# Altium PCB GameBoard_V1I1_Phase1.PcbDoc (part 9 of 18) (continued)
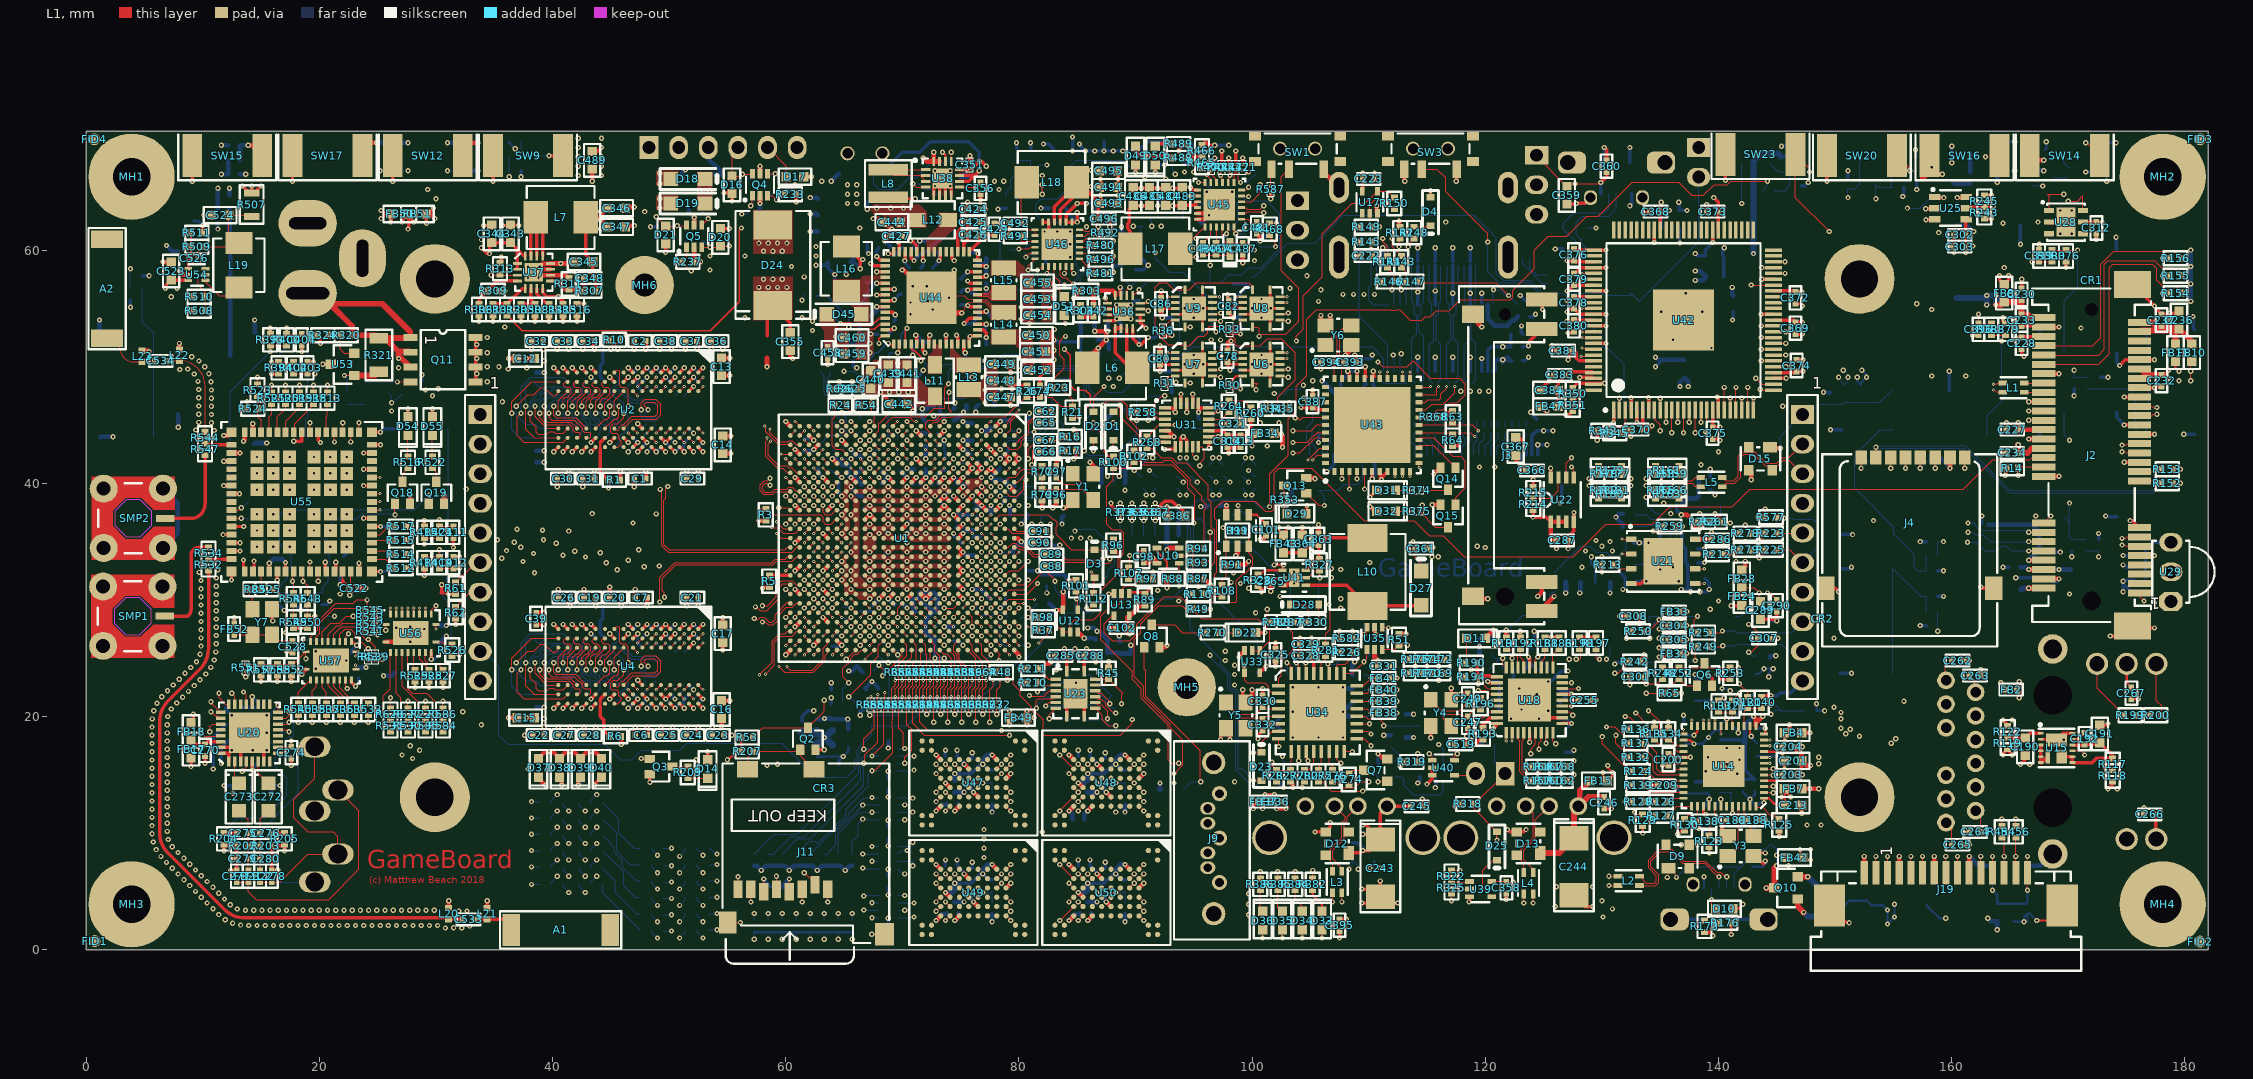
[diagram p0: L1 view]
## Nets (pads, with @x,y where several pads share a name; then routed paths per layer and width w, separated by ;. In a path a pad name is that pad's centre, name@x,y a point inside that pad or via, vN(x,y) a via of type N, cw(c..) or ccw(c..) an arc to the next point about the centre after c; other vN are vias at no path point) (continued)
  L10 w0.093: v2(42.5,24.6) 42.5,24.825 39.7,27.625 39.7,29.675 40.361,30.335 40.734,30.335 41.065,30.666 41.065,31.039 42.825,32.8 v2(42.825,33.675) 42.8,33.7 42.8,38.4 41.8,39.4 41.8,39.675 39.7,41.775 39.7,42.85 41.071,44.221 41.821,44.221 42.5,44.9 v2(42.5,46.6)
  L2 w0.1: v3(64,34.1) v4(64.3,34.4)
  L12 w0.093: v2(42.5,24.6) 42.5,23.6 43.3,22.8 43.3,22.3 U5.N2@42.9,21.9 ; v2(42.5,46.6) 42.5,45.6 43.3,44.8 43.3,44.3 U3.N2@42.9,43.9
DRAM_A4: U1.W14 U2.P8 U3.P8 U4.P8 U5.P8 | length 76.3
  L1 w0.093: v2(38.9,24) 38.9,23.617 39.492,23.025 41.492,23.025 41.775,22.742 41.775,22.565 41.965,22.375 42.275,22.375 42.4,22.25 42.4,22 42.3,21.9 U4.P8@42.1,21.9 ; v2(38.9,46) 38.9,45.617 39.492,45.025 41.492,45.025 41.775,44.742 41.775,44.565 41.965,44.375 42.275,44.375 42.4,44.25 42.4,44 42.3,43.9 U2.P8@42.1,43.9 ; U1.W14@65.2,34.5 v3(65.6,34.9)
  L3 w0.1: v2(37.465,33.29) 37.886,33.29 38.05,33.125 42.9,33.125 43.725,33.95 43.725,34.205 43.945,34.425 44.255,34.425 44.27,34.411 44.459,34.6 46.107,34.6 46.507,35 47.513,35 47.813,34.7 56.383,34.7 57.483,33.6 61.476,33.6 61.769,33.893 63.81,33.893 63.91,33.793 64.076,33.793 64.398,34.115 64.418,34.115 64.585,34.282 64.585,34.302 64.775,34.492 64.775,34.666 64.883,34.774 64.883,34.783 v4(65.3,35.2)
  L10 w0.093: v2(38.9,24) 38.9,24.95 37,26.85 37,29.227 36.807,29.42 36.807,30.762 37.465,31.419 v2(37.465,33.29) 37.465,33.337 37.868,33.741 37.868,36.23 37.465,36.633 37.465,38.384 37.325,38.523 37.325,39.839 36.924,40.24 36.924,43.21 37.143,43.429 37.143,43.778 37.865,44.5 37.865,44.965 v2(38.9,46)
  L2 w0.1: v4(65.3,35.2) v3(65.6,34.9)
  L12 w0.093: v2(38.9,24) 38.9,24.925 39.55,25.575 41.435,25.575 41.7,25.84 41.7,26.3 U5.P8@42.1,26.7 ; v2(38.9,46) 38.9,46.925 39.55,47.575 41.435,47.575 41.7,47.84 41.7,48.3 U3.P8@42.1,48.7
DRAM_A5: U1.AE13 U2.P2 U3.P2 U4.P2 U5.P2 | length 64.4
  L1 w0.093: v2(41.7,24.6) 41.7,25.017 42.02,25.337 42.137,25.337 42.475,25.675 42.475,25.985 42.235,26.225 41.925,26.225 41.8,26.35 41.8,26.6 41.9,26.7 U4.P2@42.1,26.7 ; v2(41.7,46.6) 41.7,47.017 42.02,47.337 42.137,47.337 42.475,47.675 42.475,47.985 42.235,48.225 41.925,48.225 41.8,48.35 41.8,48.6 41.9,48.7 U2.P2@42.1,48.7 ; v3(59.2,35.7) 59.6,35.3 U1.AE13@60.4,35.3
  L3 w0.1: v2(41.4,35.9) 41.629,35.9 42.004,36.275 44.992,36.275 45.892,37.175 48.004,37.175 48.61,36.569 57.118,36.569 57.462,36.225 57.955,36.225 57.98,36.2 59.079,36.2 59.679,36.8 59.766,36.8 59.995,37.029 60.141,37.029 60.375,36.795 60.375,36.137 60.238,36 v4(59.5,36)
  L10 w0.093: v2(41.7,24.6) 41.698,24.6 40.88,25.418 40.705,25.418 38.436,27.687 38.436,28.986 39.725,30.275 39.725,30.775 40.725,31.775 41,31.775 41.4,32.175 v2(41.4,35.9) 41.4,37.675 38.275,40.8 38.275,42.65 38.494,42.869 38.494,43.219 39.175,43.9 39.75,43.9 41.7,45.85 v2(41.7,46.6)
  L2 w0.1: v3(59.2,35.7) v4(59.5,36)
  L12 w0.093: v2(41.7,24.6) 41.7,23.6 42.5,22.8 42.5,22.3 U5.P2@42.1,21.9 ; v2(41.7,46.6) 41.7,45.6 42.5,44.8 42.5,44.3 U3.P2@42.1,43.9
DRAM_A6: U1.AC13 U2.R8 U3.R8 U4.R8 U5.R8 | length 79.2
  L1 w0.093: v2(37.3,24) 37.275,24 36.975,23.7 36.975,22.075 37.55,21.5 40.9,21.5 U4.R8@41.3,21.9 ; v2(37.3,46) 37.275,46 36.975,45.7 36.975,44.075 37.55,43.5 40.9,43.5 U2.R8@41.3,43.9 ; v3(61.6,34.9) U1.AC13@62,35.3
  L3 w0.1: v2(36.05,34.225) 36.143,34.132 37.582,34.132 37.95,34.5 39.45,34.5 39.45,34.45 39.575,34.325 40.906,34.325 41.331,34.75 42.1,34.75 42.95,35.6 45.693,35.6 46.093,36 47.927,36 48.227,35.7 56.797,35.7 57.447,35.05 57.723,35.05 57.973,34.8 60.17,34.8 60.645,35.275 61.825,35.275 v4(61.9,35.2)
  L10 w0.093: v2(37.3,24) 37.3,25.458 36.035,26.723 36.035,31.081 36.05,31.096 v2(36.05,34.225) 35.85,34.425 35.85,36.043 36.086,36.279 36.086,38.407 36.318,38.639 36.318,39.572 36.114,39.776 36.114,43.987 36.72,44.593 36.847,44.593 37.04,44.786 37.059,44.786 37.093,44.82 37.093,45.541 37.3,45.748 v2(37.3,46)
  L2 w0.1: v3(61.6,34.9) v4(61.9,35.2)
  L12 w0.093: v2(37.3,24) 37.3,26.3 38.1,27.1 40.9,27.1 U5.R8@41.3,26.7 ; v2(37.3,46) 37.3,48.3 38.1,49.1 40.9,49.1 U3.R8@41.3,48.7
DRAM_A7: U1.Y13 U2.R2 U3.R2 U4.R2 U5.R2 | length 66.3
  L1 w0.093: v2(40.9,24.6) 40.9,25.217 41.074,25.391 41.309,25.391 41.625,25.708 41.625,26.035 41.435,26.225 41.125,26.225 40.975,26.375 40.975,26.55 41.125,26.7 U4.R2@41.3,26.7 ; v2(40.9,46.6) 40.9,47.217 41.074,47.391 41.309,47.391 41.625,47.708 41.625,48.035 41.435,48.225 41.125,48.225 40.975,48.375 40.975,48.55 41.125,48.7 U2.R2@41.3,48.7 ; U1.Y13@64.4,35.3 v3(64.8,34.9)
  L3 w0.1: v2(40.325,34.85) 40.425,34.95 41.8,34.95 42.65,35.8 45.61,35.8 46.01,36.2 48.01,36.2 48.31,35.9 56.88,35.9 57.505,35.275 57.975,35.275 58.15,35.1 60.187,35.1 60.572,35.485 62.018,35.485 62.185,35.318 62.413,35.318 62.416,35.315 62.471,35.315 63.086,34.7 63.7,34.7 64.2,35.2 v4(64.5,35.2)
  L10 w0.093: v2(40.9,24.6) 40.9,24.673 38.05,27.523 38.05,29.623 39.339,30.912 39.339,30.935 39.9,31.496 39.9,32.575 40.325,33 v2(40.325,34.85) 40.25,34.925 40.25,36.05 39.075,37.225 39.075,39.341 38.357,40.059 38.357,40.172 37.889,40.64 37.889,42.81 38.108,43.029 38.108,43.379 38.83,44.101 38.83,44.226 38.89,44.286 39.313,44.286 40.9,45.873 v2(40.9,46.6)
  L2 w0.1: v4(64.5,35.2) v3(64.8,34.9)
  L12 w0.093: v2(40.9,24.6) 40.9,23.6 41.7,22.8 41.7,22.3 U5.R2@41.3,21.9 ; v2(40.9,46.6) 40.9,45.6 41.7,44.8 41.7,44.3 U3.R2@41.3,43.9
DRAM_A8: U1.AB13 U2.T8 U3.T8 U4.T8 U5.T8 | length 74.9
  L1 w0.093: v2(37.7,24.6) 37.7,22.64 38.44,21.9 U4.T8@40.5,21.9 ; v2(37.7,46.6) 37.7,44.64 38.44,43.9 U2.T8@40.5,43.9 ; U1.AB13@62.8,35.3 v3(63.2,34.9)
  L3 w0.1: v2(36.725,34.95) 36.725,35.261 36.989,35.525 39.7,35.525 40.65,36.475 41.638,36.475 41.838,36.675 44.826,36.675 45.726,37.575 48.17,37.575 48.775,36.969 57.327,36.969 57.533,37.175 58.325,37.175 58.615,36.885 58.615,36.882 58.797,36.7 59.217,36.7 59.517,37 59.683,37 59.983,37.3 61.33,37.3 62.025,36.605 62.025,36.161 62.468,35.718 62.579,35.718 62.582,35.715 62.637,35.715 63.152,35.2 v4(63.5,35.2)
  L10 w0.093: v2(37.7,24.6) 37.7,25.331 36.228,26.803 36.228,31.002 36.325,31.099 36.325,33.85 36.75,34.275 36.75,34.925 36.279,35.397 36.279,38.327 36.511,38.559 36.511,39.652 36.336,39.827 36.336,43.808 37.12,44.593 37.139,44.593 37.286,44.74 37.286,45.461 37.671,45.846 37.671,46.571 v2(37.7,46.6)
  L2 w0.1: v3(63.2,34.9) v4(63.5,35.2)
  L12 w0.093: v2(37.7,24.6) 37.7,26.4 38,26.7 38.35,26.7 38.724,26.326 39,26.326 39.374,26.7 U5.T8@40.5,26.7 ; v2(37.7,46.6) 37.7,48.4 38,48.7 38.35,48.7 38.724,48.326 39,48.326 39.374,48.7 U3.T8@40.5,48.7
DRAM_A9: U1.AE12 U2.R3 U3.R3 U4.R3 U5.R3 | length 62.5
  L1 w0.093: v2(40.5,24) 40.5,25.1 U4.R3@41.3,25.9 ; v2(40.5,46) 40.5,47.1 U2.R3@41.3,47.9 ; v3(59.2,36.7) 59.8,36.1 U1.AE12@60.4,36.1
  L3 w0.1: v2(39.138,35.963) 39.85,36.675 41.05,36.675 41.35,36.975 44.844,36.975 46.284,38.416 50.222,38.416 50.381,38.575 59.145,38.575 59.845,39.275 60.155,39.275 60.375,39.055 60.375,38.575 60,38.2 60,37.6 59.6,37.2 59.434,37.2 59.234,37 v4(58.9,37)
  L10 w0.093: v2(40.5,24) 40.5,24.8 37.836,27.464 37.836,30.136 39.4,31.7 39.4,33.1 39.675,33.375 39.675,35.425 v2(39.138,35.963) 38.727,36.373 38.727,39.416 38.164,39.979 38.164,40.092 37.696,40.56 37.696,42.89 37.915,43.109 37.915,43.459 38.637,44.18 38.637,44.306 38.81,44.479 39.179,44.479 40.5,45.8 v2(40.5,46)
  L2 w0.1: v4(58.9,37) v3(59.2,36.7)
  L12 w0.093: v2(40.5,24) 40.375,24 40.275,23.9 40.275,23.525 40.4,23.4 40.717,23.4 40.837,23.28 40.837,23.112 40.95,23 41.217,23 41.3,22.917 U5.R3@41.3,22.7 ; v2(40.5,46) 40.375,46 40.275,45.9 40.275,45.525 40.4,45.4 40.717,45.4 40.837,45.28 40.837,45.112 40.95,45 41.217,45 41.3,44.917 U3.R3@41.3,44.7
DRAM_A10: U1.AA15 U2.L7 U3.L7 U4.L7 U5.L7 | length 54.9
  L1 w0.093: U4.L7@44.5,22.7 45.3,23.5 45.5,23.5 45.7,23.7 v2(45.7,24.6) ; U2.L7@44.5,44.7 45.3,45.5 45.5,45.5 45.7,45.7 v2(45.7,46.6) ; U1.AA15@63.6,33.7 v3(64,33.3)
  L3 w0.1: v2(47.875,32.85) 48.575,32.15 59,32.15 59.5,32.65 59.875,32.65 60.4,32.125 61.142,32.125 61.585,32.568 61.585,32.86 61.81,33.085 62.31,33.085 62.525,33.3 63.4,33.3 v4(63.7,33.6)
  L10 w0.093: 44.25,26.706 44.25,26.304 45.7,24.854 v2(45.7,24.6) ; 44.25,27.494 44.25,27.506 ; 44.25,26.706 44.25,27.494 ; 44.25,27.506 44.25,28.398 44.764,28.912 44.764,29.62 45.736,30.592 45.741,30.592 46.343,31.193 46.343,31.214 46.786,31.657 46.802,31.657 47.668,32.524 47.668,32.643 v2(47.875,32.85) 48.3,33.275 48.3,36.925 46.202,39.023 46.202,39.102 46.04,39.264 44.557,40.747 44.557,41.407 44.318,41.646 44.318,44.195 45.648,45.525 45.7,45.525 v2(45.7,46.6)
  L2 w0.1: v4(63.7,33.6) v3(64,33.3)
  L12 w0.093: U5.L7@44.5,25.9 44.4,25.9 44.2,25.7 44.2,25.4 44.4,25.2 44.83,25.2 45.43,24.6 v2(45.7,24.6) ; U3.L7@44.5,47.9 44.4,47.9 44.2,47.7 44.2,47.4 44.4,47.2 44.83,47.2 45.43,46.6 v2(45.7,46.6)
DRAM_A11: U1.AC12 U2.R7 U3.R7 U4.R7 U5.R7 | length 70.8
  L1 w0.093: v2(38.1,24) 38.1,23.3 38.6,22.8 38.6,22.375 38.775,22.2 39.525,22.2 39.75,22.425 40.125,22.425 40.25,22.3 40.9,22.3 U4.R7@41.3,22.7 ; v2(38.1,46) 38.1,45.3 38.6,44.8 38.6,44.375 38.775,44.2 39.525,44.2 39.75,44.425 40.125,44.425 40.25,44.3 40.9,44.3 U2.R7@41.3,44.7 ; v3(61.6,35.7) U1.AC12@62,36.1
  L3 w0.1: v2(37.282,34.507) 37.825,35.05 38.327,35.05 38.602,34.775 39.625,34.775 40.175,35.325 41.575,35.325 42.325,36.075 45.075,36.075 45.975,36.975 47.921,36.975 48.527,36.369 57.035,36.369 57.379,36.025 57.872,36.025 58.247,35.65 60.171,35.65 60.521,36 v4(61.3,36)
  L10 w0.093: 37.2,44.4 37.2,44.381 ; v2(38.1,24) 38.1,25.204 36.421,26.883 36.421,30.922 36.754,31.255 36.754,33.979 v2(37.282,34.507) 37.282,35.093 36.529,35.846 36.529,38.304 36.757,38.532 36.757,39.862 36.538,40.081 36.538,43.369 36.757,43.588 36.757,43.938 37.2,44.381 ; v2(38.1,46) 37.479,45.379 37.479,44.66 37.2,44.381
  L2 w0.1: v4(61.3,36) v3(61.6,35.7)
  L12 w0.093: v2(38.1,24) 38.1,25 39.4,26.3 40.9,26.3 U5.R7@41.3,25.9 ; v2(38.1,46) 38.1,47 39.4,48.3 40.9,48.3 U3.R7@41.3,47.9
DRAM_A12: U1.AD12 U2.N7 U3.N7 U4.N7 U5.N7 | length 65.6
  L1 w0.093: v2(40.1,24.6) 40.1,23.825 40.3,23.625 41.975,23.625 U4.N7@42.9,22.7 ; v2(40.1,46.6) 40.1,45.825 40.3,45.625 41.975,45.625 U2.N7@42.9,44.7 ; v3(58.8,36.2) 59.3,36.2 59.8,35.7 60.8,35.7 U1.AD12@61.2,36.1
  L3 w0.1: v2(39.225,35.15) 39.7,35.15 40.55,36 40.97,36 41.245,36.275 41.721,36.275 41.921,36.475 44.909,36.475 45.809,37.375 48.087,37.375 48.693,36.769 57.2,36.769 57.545,36.425 57.855,36.425 57.93,36.5 v4(58.5,36.5)
  L10 w0.093: v2(40.1,24.6) 40.1,24.875 37.643,27.332 37.643,30.518 39.05,31.925 39.05,33.779 39.225,33.954 v2(39.225,35.15) 38.534,35.841 38.534,37.666 38.3,37.9 38.3,39.57 37.971,39.899 37.971,40.012 37.503,40.48 37.503,42.97 37.722,43.189 37.722,43.538 38.444,44.26 38.444,44.386 38.73,44.672 38.972,44.672 40.1,45.8 v2(40.1,46.6)
  L2 w0.1: v4(58.5,36.5) v3(58.8,36.2)
  L12 w0.093: v2(40.1,24.6) 40.475,24.975 42.85,24.975 43.125,25.25 43.125,25.675 U5.N7@42.9,25.9 ; v2(40.1,46.6) 40.475,46.975 42.85,46.975 43.125,47.25 43.125,47.675 U3.N7@42.9,47.9
DRAM_A13: U1.AC17 U2.T3 U3.T3 U4.T3 U5.T3 | length 73.3
  L1 w0.093: v2(36.9,24.6) 37.875,25.575 38.375,25.575 39,26.2 39.3,26.2 40,25.5 40.25,25.5 40.5,25.75 U4.T3@40.5,25.9 ; v2(36.9,46.6) 37.875,47.575 38.375,47.575 39,48.2 39.3,48.2 40,47.5 40.25,47.5 40.5,47.75 U2.T3@40.5,47.9 ; U1.AC17@62,32.1 v3(62.4,32.5)
  L3 w0.1: v2(35.65,33.575) 36.3,32.925 37.299,32.925 37.309,32.915 37.62,32.915 37.63,32.925 44.03,32.925 44.225,33.12 44.225,33.33 44.445,33.55 45.9,33.55 46.125,33.325 46.125,33.245 46.345,33.025 46.75,33.025 47.667,32.108 47.917,32.108 48.4,31.625 59.825,31.625 60.125,31.925 61.225,31.925 v4(62.1,32.8)
  L10 w0.093: v2(35.65,33.575) 35.65,32.961 35.657,32.954 35.657,38.251 36.125,38.719 36.125,39.492 35.842,39.775 35.842,43.988 36.64,44.786 36.767,44.786 36.9,44.919 v2(36.9,46.6) ; 35.686,26.8 36.9,25.585 v2(36.9,24.6)
  L10 w0.1: v2(35.65,33.575) 35.65,26.835 35.686,26.8
  L2 w0.1: v4(62.1,32.8) v3(62.4,32.5)
  L12 w0.093: v2(36.9,24.6) 36.9,23.87 37.72,23.05 38.55,23.05 38.9,22.7 U5.T3@40.5,22.7 ; v2(36.9,46.6) 36.9,45.87 37.72,45.05 38.55,45.05 38.9,44.7 U3.T3@40.5,44.7
DRAM_A14: U1.AA12 U2.T7 U3.T7 U4.T7 U5.T7 | length 70.4
  L1 w0.093: v2(38.5,24.6) 38.5,23.7 39.5,22.7 U4.T7@40.5,22.7 ; v2(38.5,46.6) 38.5,45.7 39.5,44.7 U2.T7@40.5,44.7 ; U1.AA12@63.6,36.1 v3(64,35.7)
  L3 w0.1: v2(36.95,36.05) 38.175,36.05 39.354,37.229 42.581,37.229 44.328,38.975 48.319,38.975 48.478,38.816 50.056,38.816 50.216,38.975 58.979,38.975 59.679,39.675 60.908,39.675 61.283,39.3 63.5,39.3 63.625,39.175 63.625,36.075 v4(63.7,36)
  L10 w0.093: v2(38.5,24.6) 38.5,25.077 36.614,26.963 36.614,30.842 36.947,31.175 36.947,33.472 37.675,34.2 37.675,35.325 v2(36.95,36.05) 36.95,39.941 36.731,40.16 36.731,43.29 36.95,43.509 36.95,43.858 37.672,44.58 37.672,45.047 38.471,45.846 38.471,46.572 v2(38.5,46.6)
  L2 w0.1: v4(63.7,36) v3(64,35.7)
  L12 w0.093: v2(38.5,24.6) 38.325,24.775 38.325,24.942 38.558,25.175 38.867,25.175 38.996,25.304 38.996,25.613 39.158,25.775 39.725,25.775 40.05,26.1 40.3,26.1 U5.T7@40.5,25.9 ; v2(38.5,46.6) 38.325,46.775 38.325,46.942 38.558,47.175 38.867,47.175 38.996,47.304 38.996,47.613 39.158,47.775 39.725,47.775 40.05,48.1 40.3,48.1 U3.T7@40.5,47.9
DRAM_A15: U1.Y12 U2.M7 U3.M7 U4.M7 U5.M7 | length 57.1
  L1 w0.093: U4.M7@43.7,22.7 44.5,23.5 44.7,23.5 44.9,23.7 v2(44.9,24.6) ; U2.M7@43.7,44.7 44.5,45.5 44.7,45.5 44.9,45.7 v2(44.9,46.6) ; U1.Y12@64.4,36.1 v3(64.8,36.5)
  L3 w0.1: v2(46.9,36.6) 48.013,36.6 48.444,36.169 56.952,36.169 57.296,35.825 57.789,35.825 58.214,35.4 60.204,35.4 60.489,35.685 62.101,35.685 62.268,35.518 62.496,35.518 62.499,35.515 62.554,35.515 63.169,34.9 63.603,34.9 64.425,35.722 64.425,36.125 v4(64.5,36.2)
  L10 w0.093: 43.864,26.866 43.864,26.144 44.9,25.108 v2(44.9,24.6) ; 43.864,27.334 43.864,27.666 ; 43.864,26.866 43.864,27.334 ; 43.864,27.666 43.864,28.558 44.378,29.072 44.378,29.78 45.576,30.978 45.581,30.978 45.957,31.353 45.957,31.374 46.975,32.392 46.975,35.4 47,35.425 46.9,35.525 v2(46.9,36.6) 46.9,36.4 47.2,36.1 47.25,36.15 44.429,38.972 44.429,39.489 43.972,39.946 43.972,41.254 43.932,41.293 43.932,44.355 44.9,45.323 v2(44.9,46.6)
  L2 w0.1: v4(64.5,36.2) v3(64.8,36.5)
  L12 w0.093: U5.M7@43.7,25.9 43.6,25.9 43.4,25.7 43.4,25.4 43.6,25.2 44.03,25.2 44.63,24.6 v2(44.9,24.6) ; U3.M7@43.7,47.9 43.6,47.9 43.4,47.7 43.4,47.4 43.6,47.2 44.03,47.2 44.63,46.6 v2(44.9,46.6)
DRAM_CAS_B: U1.AE16 U2.K3 U3.K3 U4.K3 U5.K3 | length 49.4
  L1 w0.093: v2(44.5,24) 44.5,24.875 45.3,25.675 U4.K3@45.3,25.9 ; v2(44.5,46) 44.5,46.875 45.3,47.675 U2.K3@45.3,47.9 ; v3(60,32.5) U1.AE16@60.4,32.9
  L3 w0.1: v2(46.5,33.4) 46.675,33.4 47.767,32.308 48,32.308 48.458,31.85 59.35,31.85 v4(59.7,32.2)
  L10 w0.093: 43.671,26.946 43.671,26.064 44.5,25.235 v2(44.5,24) ; 43.671,27.254 43.671,27.746 ; 43.671,28.054 43.671,28.638 44.185,29.152 44.185,29.86 45.5,31.175 ; 43.671,26.946 43.671,27.254 ; 43.671,27.746 43.671,28.054 ; v2(44.5,46) 44.5,45.196 43.739,44.435 43.739,42.414 43.175,41.85 43.175,40.469 44.236,39.409 44.236,38.89 45.036,38.089 45.038,38.089 46.1,37.027 46.1,36.2 46.45,35.85 46.45,33.45 v2(46.5,33.4)
  L10 w0.1: 45.5,31.175 45.76,31.435 45.76,31.455 46.5,32.195 v2(46.5,33.4)
  L2 w0.1: v4(59.7,32.2) v3(60,32.5)
  L12 w0.093: v2@44.5,23.987 45.65,22.837 45.65,22.65 45.575,22.575 45.425,22.575 U5.K3@45.3,22.7 ; v2@44.5,45.987 45.65,44.837 45.65,44.65 45.575,44.575 45.425,44.575 U3.K3@45.3,44.7
DRAM_CLK0_N: R9.1 U1.AE15 U4.K7 U5.K7 | length 45.2
  L1 w0.09: U4.K7@45.3,22.7 45.45,22.55 45.63,22.55 45.78,22.7 45.78,22.84 45.96,23.02 46.066,23.02 46.782,23.735 48.782,23.735 49.02,23.973 49.02,24.68 48.73,24.97 48.024,24.97 47.85,24.796 47.85,24.658 48.2,24.308 v2(48.2,24.3)
  L1 w0.1: v2(49.2,29.825) 49.209,29.834 49.209,31.941 50.467,33.2 58.817,33.2 59.117,33.5 59.95,33.5 60.15,33.7 U1.AE15@60.4,33.7
  L10 w0.1: v2(45.7,19.1) 45.666,19.134 45.666,19.784 45.925,20.042 45.925,22.575 46.95,23.6 47.5,23.6 v2(48.2,24.3) 48.13,24.3 47.755,24.675 47.45,24.675 45.95,26.175 45.95,28.35 47.625,30.025 48.425,30.025 48.625,29.825 v2(49.2,29.825)
  L12 w0.09: U5.K7@45.3,25.9 45.45,26.05 45.63,26.05 45.78,25.9 45.78,25.76 45.96,25.58 46.066,25.58 46.732,24.914 48.732,24.914 49.02,24.627 49.02,23.919 48.73,23.63 48.024,23.63 47.854,23.799 ; v2(45.7,19.1) 45.7,19.092 45.529,18.921 45.529,18.671 R9.1@45.9,18.3 ; 47.85,23.804 47.85,23.942 48.2,24.292 v2(48.2,24.3)
DRAM_CLK0_P: R9.2 U1.AD15 U4.J7 U5.J7 | length 45.5
  L1 w0.09: U4.J7@46.1,22.7 46.885,23.485 48.885,23.485 49.27,23.87 49.27,24.784 48.834,25.22 47.92,25.22 47.6,24.9 v2(47.6,24.3)
  L1 w0.1: v2(49.6,30.225) 49.6,30.6 49.409,30.791 49.409,31.859 50.55,33 58.9,33 59.2,33.3 60.55,33.3 60.95,33.7 U1.AD15@61.2,33.7
  L10 w0.1: v2(45.1,19.1) 45.1,19.5 45.725,20.125 45.725,22.658 46.867,23.8 47.1,23.8 v2(47.6,24.3) 47.542,24.3 45.75,26.092 45.75,28.433 47.542,30.225 v2(49.6,30.225)
  L12 w0.09: R9.2@44.9,18.3 45.254,18.654 45.254,18.946 v2(45.1,19.1) ; U5.J7@46.1,25.9 46.835,25.164 48.835,25.164 49.27,24.73 49.27,23.816 48.834,23.38 47.92,23.38 47.6,23.7 v2(47.6,24.3)
DRAM_CLK1_N: R10.1 U1.AE14 U2.K7 U3.K7 | length 49.2
  L1 w0.09: U2.K7@45.3,44.7 45.45,44.55 45.63,44.55 45.78,44.7 45.78,44.84 45.96,45.02 46.066,45.02 46.782,45.735 48.782,45.735 49.02,45.973 49.02,46.68 48.73,46.97 48.024,46.97 47.85,46.796 47.85,46.658 48.2,46.308 v2(48.2,46.3) ; v2(45.6,51.5) 45.6,51.508 45.429,51.679 45.429,51.929 R10.1@45.8,52.3
  L1 w0.1: v2(49.875,39.725) 49.7,39.55 49.7,38.7 49.559,38.559 49.559,34.741 50,34.3 59.95,34.3 60.15,34.5 U1.AE14@60.4,34.5
  L10 w0.1: v2(45.6,51.5) 45.425,51.325 45.425,50.108 45.9,49.633 45.9,47.775 46.4,47.275 47.483,47.275 47.8,46.958 47.8,46.7 v2(48.2,46.3) 48.13,46.3 47.755,45.925 47.25,45.925 46.95,45.625 46.95,45.28 46.925,45.255 46.925,44.925 45.85,43.85 45.85,42.25 46.675,41.425 46.983,41.425 48.683,39.725 48.97,39.725 49.095,39.85 49.75,39.85 v2(49.875,39.725)
  L12 w0.09: U3.K7@45.3,47.9 45.45,48.05 45.63,48.05 45.78,47.9 45.78,47.76 45.96,47.58 46.066,47.58 46.732,46.915 48.732,46.915 49.02,46.627 49.02,45.919 48.73,45.63 48.024,45.63 47.854,45.799 ; 47.85,45.804 47.85,45.942 48.2,46.292 v2(48.2,46.3)
DRAM_CLK1_P: R10.2 U1.AD14 U2.J7 U3.J7 | length 49.1
  L1 w0.09: R10.2@44.8,52.3 45.154,51.946 45.154,51.654 v2(45,51.5) ; U2.J7@46.1,44.7 46.885,45.485 48.885,45.485 49.27,45.87 49.27,46.784 48.834,47.22 47.92,47.22 47.6,46.9 v2(47.6,46.3)
  L1 w0.1: v2(49.25,39.475) 49.359,39.366 49.359,34.659 49.917,34.1 60.55,34.1 60.95,34.5 U1.AD14@61.2,34.5
  L10 w0.1: v2(45,51.5) 45.225,51.275 45.225,50.025 45.7,49.55 45.7,47.692 46.317,47.075 47.4,47.075 47.6,46.875 v2(47.6,46.3) 47.425,46.3 47.25,46.125 47.167,46.125 46.75,45.708 46.75,45.363 46.725,45.338 46.725,45.008 45.65,43.933 45.65,42.167 46.592,41.225 46.9,41.225 48.65,39.475 v2(49.25,39.475)
  L12 w0.09: U3.J7@46.1,47.9 46.835,47.165 48.835,47.165 49.27,46.73 49.27,45.816 48.834,45.38 47.92,45.38 47.6,45.7 v2(47.6,46.3)
DRAM_CS0_B: U1.Y16 U2.L2 U3.L2 U4.L2 U5.L2 | length 59.9
  L1 w0.093: v2(44.1,24.6) 44.1,25.05 44.329,25.279 44.554,25.279 44.9,25.625 44.9,26.05 44.725,26.225 44.4,26.225 44.225,26.4 44.225,26.575 44.35,26.7 U4.L2@44.5,26.7 ; v2(44.1,46.6) 44.1,47.05 44.329,47.279 44.554,47.279 44.9,47.625 44.9,48.05 44.725,48.225 44.4,48.225 44.225,48.4 44.225,48.575 44.35,48.7 U2.L2@44.5,48.7 ; v3(64,32.5) U1.Y16@64.4,32.9
  L3 w0.1: v2(45.563,32.587) 46.642,31.508 47.392,31.508 47.975,30.925 57.092,30.925 57.842,30.175 61.875,30.175 62.2,30.5 63.4,30.5 63.6,30.7 63.6,32.1 v4(63.7,32.2)
  L10 w0.093: v2(44.1,24.6) 44.1,25.362 42.928,26.534 42.928,28.928 43.25,29.25 43.25,30.1 45.25,32.1 45.25,32.275 v2(45.563,32.587) 45.563,37.292 44.958,37.896 44.956,37.896 44.043,38.81 44.043,39.329 42.982,40.389 42.982,40.768 42.875,40.875 42.875,43.6 43.146,43.872 43.222,43.872 43.546,44.196 43.546,44.515 44.1,45.069 v2(44.1,46.6)
  L2 w0.1: v4(63.7,32.2) v3(64,32.5)
  L12 w0.093: v2(44.1,24.6) 44.1,23.85 44.9,23.05 44.9,22.3 U5.L2@44.5,21.9 ; v2(44.1,46.6) 44.1,45.85 44.9,45.05 44.9,44.3 U3.L2@44.5,43.9
DRAM_D0: U1.AD2 U2.D7 | length 17.9
  L1 w0.093: v3(49.7,44.3) v4(50.1,44.7) ; U1.AD2@61.2,44.1 v3(61.6,44.5)
  L3 w0.1: v4(50.1,44.7) 50.1,42.475 50.675,41.9 55.8,41.9 56.1,42.2 60.913,42.2 61.585,42.872 61.585,43.318 61.3,43.603 v4(61.3,44.2)
  L2 w0.1: v3(49.7,44.3) v4(50.1,44.7) ; v4(61.3,44.2) v3(61.6,44.5)
DRAM_D1: U1.AE2 U2.B8 | length 11.7
  L1 w0.093: v4(51.7,43.9) v3(52.1,43.5) ; U1.AE2@60.4,44.1 v3(60.8,44.5)
  L3 w0.1: v4(51.7,43.9) 52.5,43.1 56.517,43.1 56.617,43.2 59.5,43.2 v4(60.5,44.2)
  L2 w0.1: v4(51.7,43.9) v3(52.1,43.5) ; v4(60.5,44.2) v3(60.8,44.5)
DRAM_D2: U1.AC4 U2.C8 | length 14.7
  L1 w0.093: v4(50.9,43.9) v3(51.3,43.5) ; v3(61.6,42.9) U1.AC4@62,42.5
  L3 w0.1: v4(50.9,43.9) 50.9,42.45 51.2,42.15 55.65,42.15 56,42.5 60.93,42.5 61.175,42.745 61.175,43.075 v4(61.3,43.2)
  L2 w0.1: v4(50.9,43.9) v3(51.3,43.5) ; v4(61.3,43.2) v3(61.6,42.9)
DRAM_D3: U1.AA5 U2.A3 | length 16.7
  L1 w0.093: U2.A3@52.5,47.9 v3(52.9,48.3) ; v3(63.2,42.1) U1.AA5@63.6,41.7
  L3 w0.1: v4(53.3,48.7) 60.2,48.7 63,45.9 63,44.103 63.2,43.903 63.2,43.093 62.9,42.793 v4(62.9,42.4)
  L2 w0.1: v3(52.9,48.3) v4(53.3,48.7) ; v4(62.9,42.4) v3(63.2,42.1)
DRAM_D4: U1.AC1 U2.C2 | length 15.5
  L1 w0.093: v4(50.9,48.7) v3(51.3,49.1) ; U1.AC1@62,44.9 v3(62.4,44.5)
  L3 w0.1: v4(50.9,48.7) 51.8,47.8 59.6,47.8 59.7,47.9 59.783,47.9 62.1,45.583 v4(62.1,44.8)
  L2 w0.1: v4(50.9,48.7) v3(51.3,49.1) ; v4(62.1,44.8) v3(62.4,44.5)
DRAM_D5: U1.AD1 U2.C3 | length 14.2
  L1 w0.093: v4(50.9,47.9) v3(51.3,48.3) ; v3(60.8,45.3) U1.AD1@61.2,44.9
  L3 w0.1: v4(50.9,47.9) 51.3,47.5 59.8,47.5 61.1,46.2 v4(61.1,45)
  L2 w0.1: v4(50.9,47.9) v3(51.3,48.3) ; v3(60.8,45.3) v4(61.1,45)
DRAM_D6: U1.AB4 U2.A2 | length 16.1
  L1 w0.093: v4(52.5,48.7) v3(52.9,49.1) ; U1.AB4@62.8,42.5 v3(63.2,42.9)
  L3 w0.1: v4(52.5,48.7) 53.1,48.1 60.3,48.1 62.7,45.7 62.7,44 62.9,43.8 v4(62.9,43.2)
  L2 w0.1: v4(52.5,48.7) v3(52.9,49.1) ; v4(62.9,43.2) v3(63.2,42.9)
DRAM_D7: U1.AE4 U2.A7 | length 13.6
  L1 w0.093: v4(52.5,44.7) v3(52.9,44.3) ; v3(59.6,42.5) U1.AE4@60.4,42.5
  L3 w0.1: v4(52.5,44.7) 53,44.7 54.1,43.6 59.3,43.6 60.2,44.5 60.7,44.5 60.9,44.3 60.9,43.8 v4(59.9,42.8)
  L2 w0.1: v4(52.5,44.7) v3(52.9,44.3) ; v3(59.6,42.5) v4(59.9,42.8)
DRAM_D8: U1.AD5 U2.E3 | length 26.2
  L1 w0.093: v4(49.3,47.9) v3(49.7,48.3) ; v3(60.8,42.1) U1.AD5@61.2,41.7
  L3 w0.1: v4(49.3,47.9) 50.1,48.7 50.1,50.1 50.4,50.4 53.5,50.4 54.4,49.5 54.92,49.5 55.045,49.625 55.355,49.625 55.68,49.3 60.2,49.3 63.3,46.2 63.3,44.4 63.4,44.3 63.4,43.01 63.185,42.795 63.185,42.282 63.018,42.115 62.782,42.115 62.706,42.191 62.616,42.1 61.4,42.1 v4(61.1,41.8)
  L2 w0.1: v4(49.3,47.9) v3(49.7,48.3) ; v3(60.8,42.1) v4(61.1,41.8)
DRAM_D9: U1.AE5 U2.F7 | length 16.7
  L1 w0.093: v3(48.1,44.3) v4(48.5,44.7) ; v3(60,42.1) U1.AE5@60.4,41.7
  L3 w0.1: v4(48.5,44.7) 49,44.2 49,43.35 49.275,43.075 49.275,42.125 49.925,41.475 53.85,41.475 54.125,41.2 55.734,41.2 56.334,41.8 v4(60.3,41.8)
  L2 w0.1: v3(48.1,44.3) v4(48.5,44.7) ; v3(60,42.1) v4(60.3,41.8)
DRAM_D10: U1.AA6 U2.G2 | length 29.3
  L1 w0.093: v3(47.3,48.3) v4(47.7,48.7) ; v3(63.2,41.3) U1.AA6@63.6,40.9
  L3 w0.1: v4(47.7,48.7) 47.7,50.3 48.2,50.8 49.3,50.8 49.825,51.325 49.825,51.655 50.17,52 54.93,52 56.13,50.8 59.78,50.8 60.255,50.325 60.341,50.325 63.716,46.95 63.716,46.923 64,46.639 64,43.017 64.375,42.642 64.375,41.875 v4(63.5,41)
  L2 w0.1: v3(47.3,48.3) v4(47.7,48.7) ; v3(63.2,41.3) v4(63.5,41)
DRAM_D11: U1.AE7 U2.H7 | length 21.4
  L1 w0.093: v7(46.9,44.7) v3(47.3,44.3) ; v3(60,40.5) U1.AE7@60.4,40.1
  L3 w0.1: v7(46.9,44.7) 46,43.8 46,41.5 47.45,40.05 49.445,40.05 49.67,40.275 49.98,40.275 50.205,40.05 54.006,40.05 54.156,40.2 57.325,40.2 58.025,40.9 59.6,40.9 v4(60.3,40.2)
  L2 w0.1: v7(46.9,44.7) v3(47.3,44.3) ; v3(60,40.5) v4(60.3,40.2)
  other v4: 46.9,44.7
DRAM_D12: U1.AB5 U2.H3 | length 27.7
  L1 w0.093: v4(46.9,47.9) v3(47.3,47.5) ; v3(62.4,42.1) U1.AB5@62.8,41.7
  L3 w0.1: v4(46.9,47.9) 47.3,48.3 48.7,48.3 49.3,48.9 49.3,50.1 49.8,50.6 53.7,50.6 54.6,49.7 54.837,49.7 54.962,49.825 55.438,49.825 55.763,49.5 60.6,49.5 63.316,46.784 63.316,46.758 63.5,46.574 63.5,45.017 63.6,44.917 63.6,42.927 63.385,42.712 63.385,42.199 63.101,41.915 62.714,41.915 62.7,41.902 v4(62.7,41.8)
  L2 w0.1: v4(46.9,47.9) v3(47.3,47.5) ; v3(62.4,42.1) v4(62.7,41.8)
DRAM_D13: U1.AC5 U2.F2 | length 27.9
  L1 w0.093: v4(48.5,48.7) v3(48.9,49.1) ; v3(61.6,42.1) U1.AC5@62,41.7
  L3 w0.1: v4(48.5,48.7) 48.525,48.725 48.525,50.125 48.8,50.4 49.2,50.4 49.7,50.9 54.82,50.9 55.045,51.125 55.355,51.125 55.575,50.905 55.575,50.825 55.9,50.5 59.798,50.5 60.173,50.125 60.258,50.125 63.516,46.867 63.516,46.84 63.7,46.656 63.7,45.8 63.8,45.7 63.8,42.844 63.625,42.669 63.625,42.125 62.9,41.4 62.353,41.4 61.953,41.8 v4(61.9,41.8)
  L2 w0.1: v4(48.5,48.7) v3(48.9,49.1) ; v3(61.6,42.1) v4(61.9,41.8)
DRAM_D14: U1.AB6 U2.F8 | length 20.4
  L1 w0.093: v4(48.5,43.9) v3(48.9,43.5) ; v3(62.4,41.3) U1.AB6@62.8,40.9 v3(62.4,41.3)
  L3 w0.1: v4(48.5,43.9) 48.5,42.1 49.725,40.875 50.229,40.875 50.379,40.725 53.833,40.725 54.108,41 55.817,41 56.317,41.5 57,41.5 57.2,41.3 57.576,41.3 57.776,41.5 59.849,41.5 60.074,41.275 60.479,41.275 60.489,41.285 62.185,41.285 62.47,41 v4(62.7,41)
  L2 w0.1: v4(48.5,43.9) v3(48.9,43.5) ; v3(62.4,41.3) v4(62.7,41) ; v3(62.4,41.3) v4(62.7,41)
  other v3: 62.4,41.3
  other v4: 62.7,41
DRAM_D15: U1.AC7 U2.H8 | length 20.2
  L1 w0.093: v3(46.5,44.3) v4(46.9,43.9) ; v3(61.6,40.5) U1.AC7@62,40.1
  L3 w0.1: v4(46.9,43.9) 46.925,43.875 46.925,42.545 47.5,41.97 47.5,40.6 47.825,40.275 49.387,40.275 49.587,40.475 50.063,40.475 50.263,40.275 53.949,40.275 54.274,40.6 57.442,40.6 57.942,41.1 59.683,41.1 59.908,40.875 61.225,40.875 v4(61.3,40.8)
  L2 w0.1: v3(46.5,44.3) v4(46.9,43.9) ; v4(61.3,40.8) v3(61.6,40.5)
DRAM_D16: U1.AB7 U3.E3 | length 25.4
  L1 w0.093: v2(62.4,40.5) U1.AB7@62.8,40.1
  L10 w0.093: v5(49.3,44.7) 50.071,43.928 50.071,43.346 50.05,43.325 50.05,42.897 50.071,42.875 50.071,42.051 50.598,41.525 51.6,41.525 51.872,41.254 51.872,41.153 57.175,35.85 62.35,35.85 63.625,37.125 63.625,38.2 63.297,38.529 63.046,38.529 62.829,38.746 62.829,39.799 62.635,39.992 62.635,40.265 v2(62.4,40.5)
  L11 w0.1: v6(48.9,44.3) v5(49.3,44.7)
  L12 w0.093: v6(48.9,44.3) v5(49.3,44.7)
DRAM_D17: U1.AA8 U3.F8 | length 28.1
  L1 w0.093: v2(63.2,39.7) U1.AA8@63.6,39.3
  L10 w0.093: v5(48.5,48.7) 48.471,48.729 47.946,48.729 47.728,48.946 47.728,50.453 48.829,51.554 48.829,51.654 49.046,51.871 52.297,51.871 52.325,51.9 54.825,51.9 55.097,51.628 56.072,51.628 61.6,46.1 61.6,42.327 62,41.927 62,41.3 62.428,40.872 62.554,40.872 62.828,40.597 62.828,40.072 v2(63.2,39.7)
  L11 w0.1: v5(48.5,48.7) v6(48.9,49.1)
  L12 w0.093: v5(48.5,48.7) v6(48.9,49.1)
DRAM_D18: U1.AB9 U3.H7 | length 28.4
  L1 w0.093: v2(62.4,38.9) U1.AB9@62.8,38.5
  L10 w0.093: v5(46.9,47.9) 47.95,47.9 48.725,47.125 49.575,47.125 49.819,47.369 49.819,48.069 50.1,48.35 50.1,50.1 50.275,50.275 53.827,50.275 54.095,50.007 56.293,50.007 60.428,45.872 60.428,42.68 61.407,41.701 61.407,40.132 61.228,39.953 61.228,39.497 61.425,39.3 62,39.3 v2(62.4,38.9)
  L11 w0.1: v5(46.9,47.9) v6(47.3,47.5)
  L12 w0.093: v5(46.9,47.9) v6(47.3,47.5)